# Altium PCB PCB1.PcbDoc
Units mil, origin at the board's own origin, x right, y up, seen from the top; angles counter-clockwise.
Board outline 2362.2 x 2362.2 mil, 2 copper layers (Top Layer, Bottom Layer); 50 components, 38 nets, 173 pads, 120 vias.
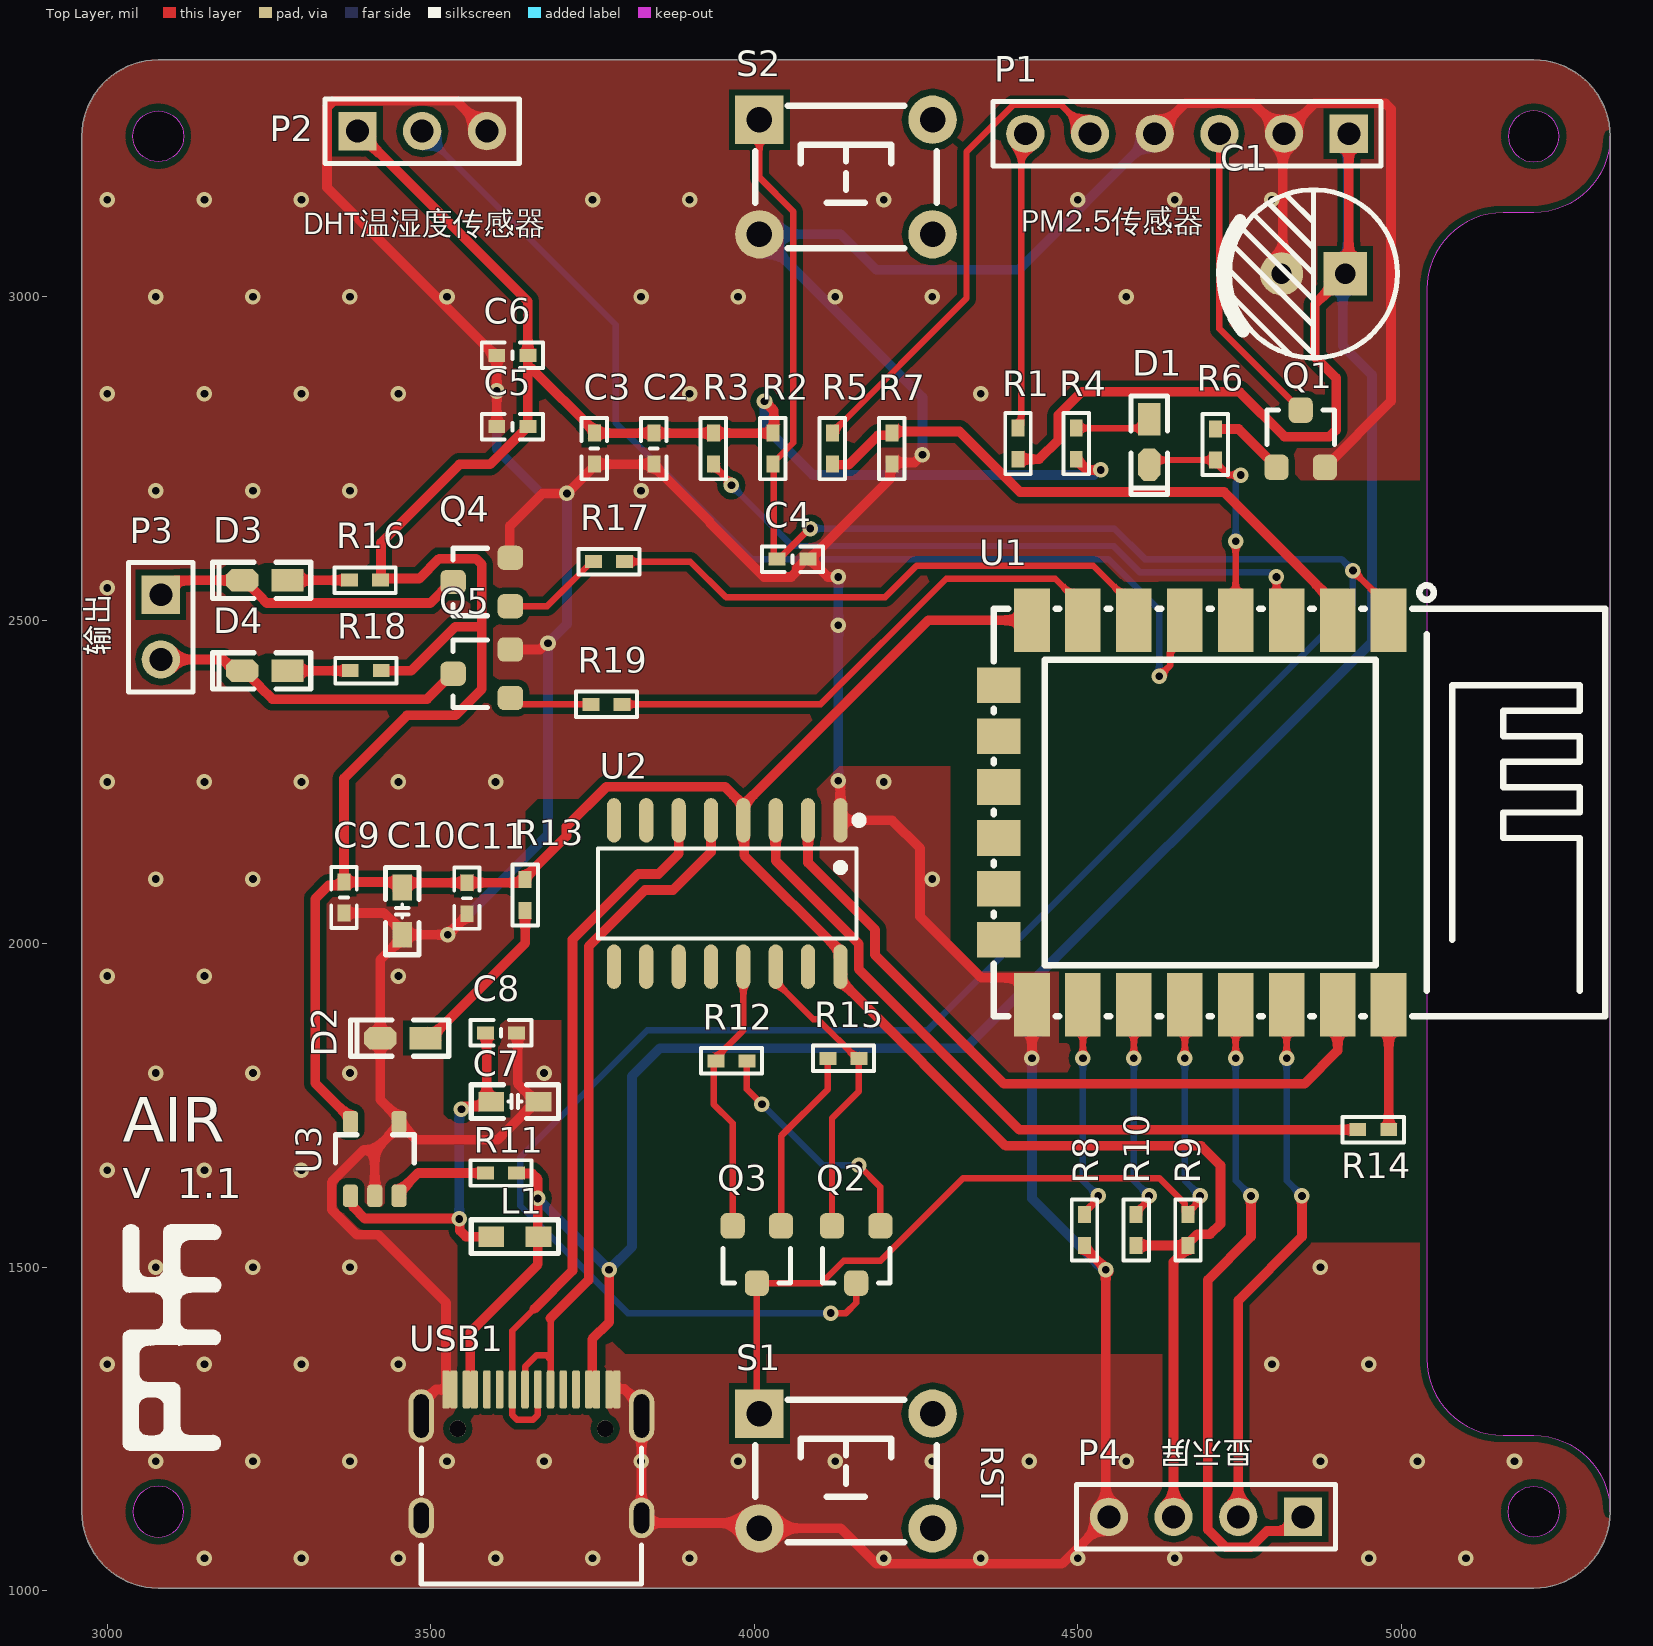
[diagram p0: Top Layer view]
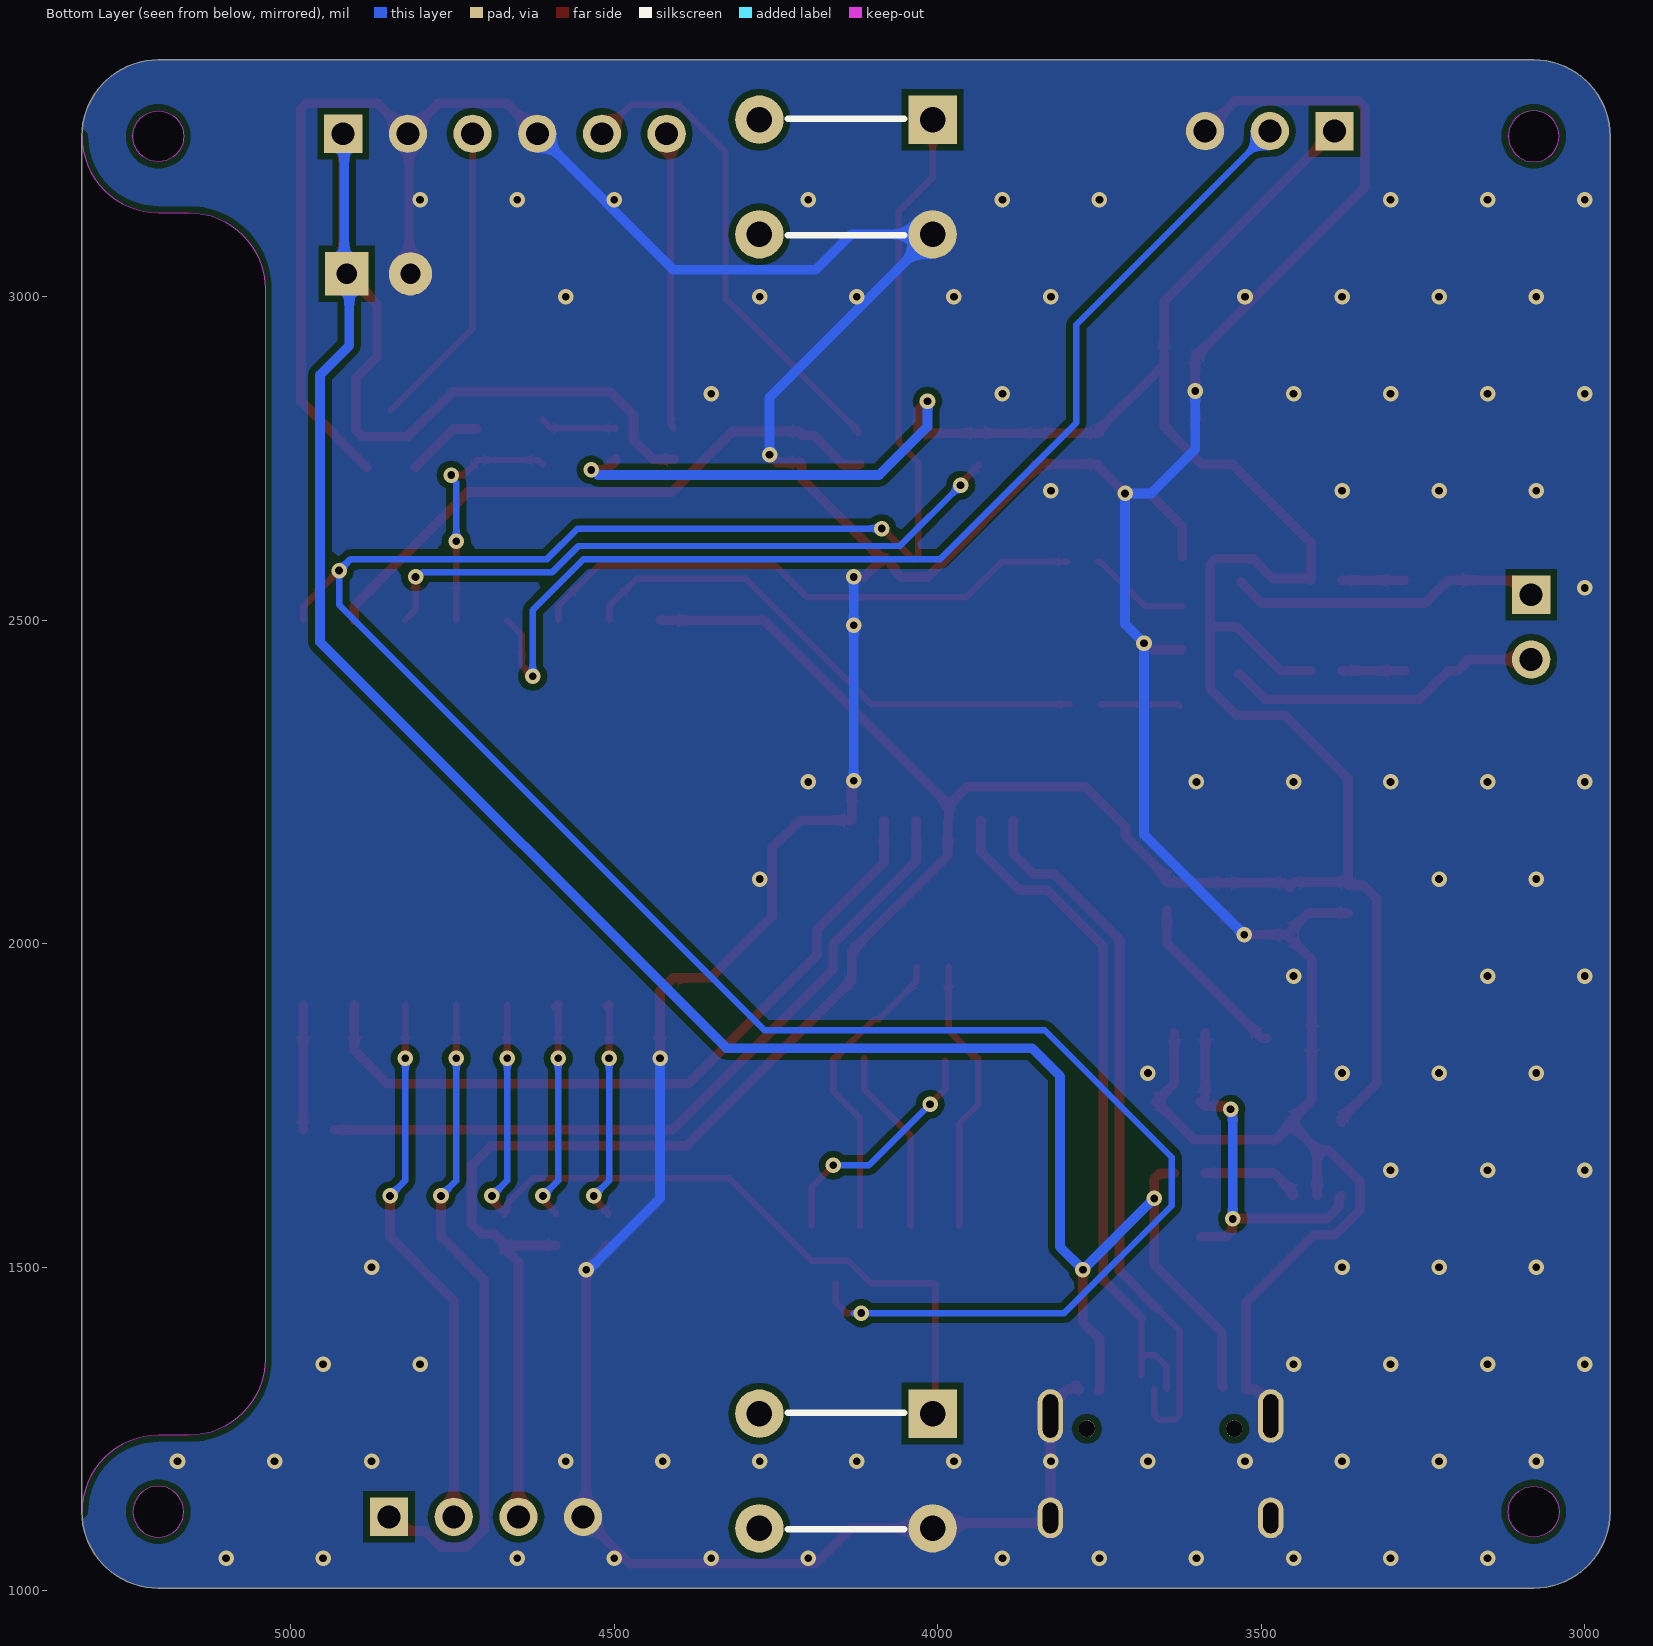
[diagram p1: Bottom Layer view, seen from below]
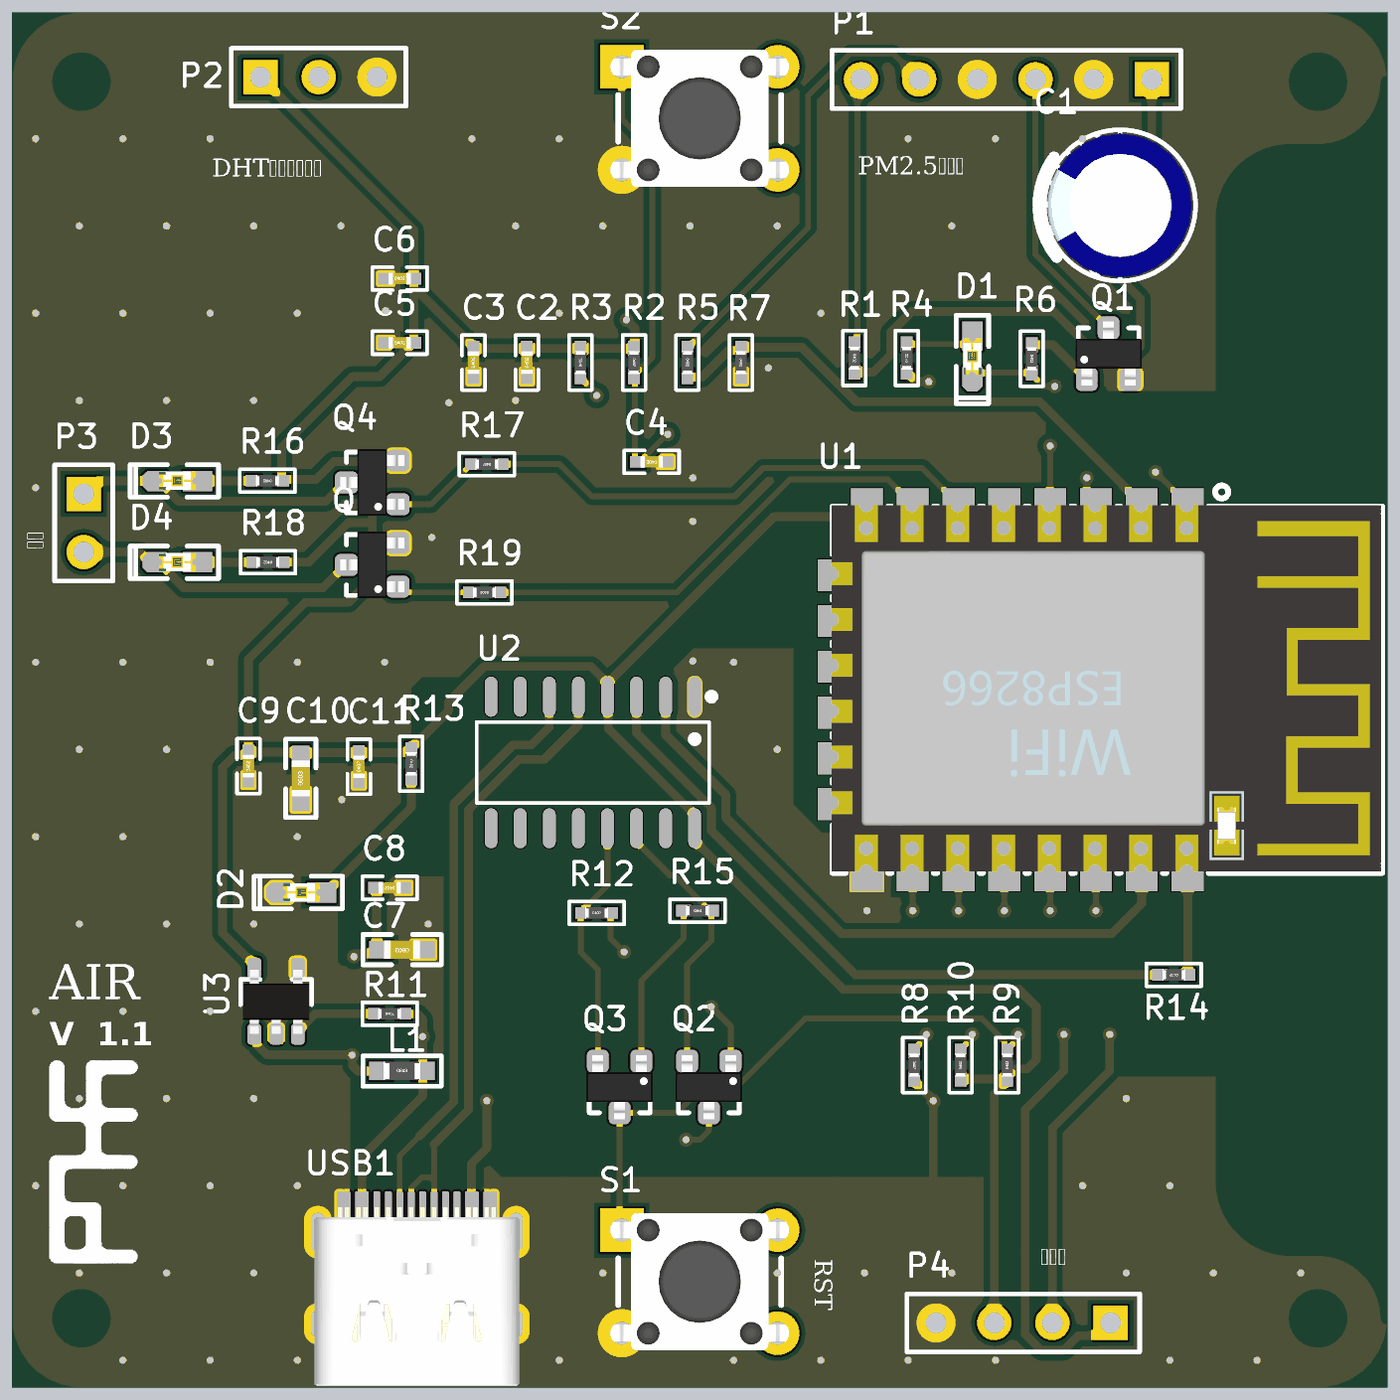
[diagram p2: 3D render of the assembled board from above, using the file's embedded part models]

## Layer stack, top to bottom
Top Solder: solder mask 0.4, Solder Resist, Dk 3.5
Top Layer: signal copper 1.4
Dielectric 1: dielectric 12.6, FR-4, Dk 4.8
Bottom Layer: signal copper 1.4
Bottom Solder: solder mask 0.4, Solder Resist, Dk 3.5

## Board outline
2960.63,1122.05 ccw(c3078.74,1122.05) 3078.74,1003.94 5204.72,1003.94 ccw(c5204.72,1122.05) 5322.83,1122.05 5322.83,3248.03 ccw(c5204.72,3248.03) 5204.72,3366.14 3078.74,3366.14 ccw(c3078.74,3248.03) 2960.63,3248.03
cut-out: 5039.37,1358.27 ccw(c5157.48,1358.27) 5157.48,1240.16 5204.72,1240.16 cw(c5204.72,1122.05) 5322.83,1122.05 5322.83,3248.03 cw(c5204.72,3248.03) 5204.72,3129.92 5157.48,3129.92 ccw(c5157.48,3011.81) 5039.37,3011.81
cut-out: 3078.74,3208.66 cw(c3078.74,3248.03) 3039.37,3248.03 cw(c3078.74,3248.03) 3078.74,3287.4 cw(c3078.74,3248.03) 3118.11,3248.03 cw(c3078.74,3248.03)
cut-out: 5165.35,3248.03 ccw(c5204.72,3248.03) 5204.72,3208.66 ccw(c5204.72,3248.03) 5244.09,3248.03 ccw(c5204.72,3248.03) 5204.72,3287.4 ccw(c5204.72,3248.03)
cut-out: 5165.35,1122.05 cw(c5204.72,1122.05) 5204.72,1161.42 cw(c5204.72,1122.05) 5244.09,1122.05 cw(c5204.72,1122.05) 5204.72,1082.68 cw(c5204.72,1122.05)
cut-out: 3039.37,1122.05 ccw(c3078.74,1122.05) 3078.74,1082.68 ccw(c3078.74,1122.05) 3118.11,1122.05 ccw(c3078.74,1122.05) 3078.74,1161.42 ccw(c3078.74,1122.05)

## Design rules (kind name [scope] priority, off if disabled: settings)
Clearance [All] p1: gap=10 ignorepadtopadclearanceinfootprint=TRUE except(0: Arc-Hole Track-Hole SMDPad-Hole THPad-Hole Via-Hole Fill-Hole Poly-Hole Region-Hole Text-Hole)
PlaneConnect [All] p1: planeconnectstyle=Direct reliefexpansion=20 reliefentries=4 reliefconductorwidth=10 reliefairgap=10
PolygonConnect [All] p1: connectstyle=Direct reliefconductorwidth=10 reliefentries=4 polygonreliefangle="90 Angle" airgapwidth=10
RoutingVias [All] p1: holewidth=28 width=50 viastyle="Through Hole" minholewidth=28 minwidth=50 maxholewidth=28 maxwidth=50
SolderMaskExpansion [All] p1: expansion=4 istentingtop=FALSE
Width [All] p1: maxlimit=20 minlimit=10 preferedwidth=10
29 further rules are at their usual default settings.

## Components (designator, comment, footprint, x,y, rotation, side; value= is the part's Value field where it differs from the comment)
C1 "Cap Pol1" "CAP 2.5*6.3*11.2" 4864.17,3035.43 r180 top value=220uF
C2 "Cap" "C 0402_M" 3844.66,2765.24 r90 top value=10uF
C3 "Cap" "C 0402_M" 3752.68,2765.24 r90 top value=0.1uF
C4 "Cap" "C 0402_M" 4059.06,2594.49 r180 top value=0.1uF
C5 "0402" "C 0402_M" 3625.98,2799.21 r0 top value=0.1uF
C6 "0402" "C 0402_M" 3625.98,2909.45 r0 top value=0.1uF
C7 "0603" "C 0603_M" 3629.92,1755.91 r180 top value=10uF
C8 "0402" "C 0402_M" 3608.67,1862.2 r180 top value=0.1uF
C9 "0402" "C 0402_M" 3365.83,2071.35 r90 top value=10nF
C10 "0603" "C 0603_M" 3455.83,2050.35 r90 top value=10uF
C11 "0402" "C 0402_M" 3555.83,2070.35 r90 top value=0.1uF
D1 "LED0" "LED 0603R" 4610.24,2775.59 r270 top
D2 "LED0" "LED 0603R" 3456.69,1854.33 r180 top
D3 "LED0" "LED 0603R" 3243.46,2561.97 r180 top
D4 "LED0" "LED 0603R" 3243.46,2421.97 r180 top
L1 "90R-100M磁珠" "R 0603_M" 3629.92,1547.24 r0 top
P1 "Header 6" HDR1X6 4918.9,3251.97 r180 top
P2 "Header 3" HDR1X3 3386.61,3255.91 r0 top
P3 "Header 2" HDR1X2 3082.68,2539.37 r270 top
P4 "Header 4" HDR1X4 4848.03,1114.17 r180 top
Q1 "Y1 NPN SOT23-3" SMT_TRIODE_NPN 4844.49,2780.51 r0 top
Q2 "Y1 NPN SOT23-3" SMT_TRIODE_NPN 4157.48,1519.68 r180 top
Q3 "Y1 NPN SOT23-3" SMT_TRIODE_NPN 4003.94,1519.68 r180 top
Q4 "Y1 NPN SOT23-3" SMT_TRIODE_NPN 3578.74,2559.06 r90 top
Q5 "Y1 NPN SOT23-3" SMT_TRIODE_NPN 3578.74,2417.32 r90 top
R1 "Res2" "R 0402_M" 4407.64,2772.95 r270 top value=150R
R2 "Res2" "R 0402_M" 4028.63,2765.24 r270 top value=10K
R3 "Res2" "R 0402_M" 3936.65,2765.24 r90 top value=10K
R4 "Res2" "R 0402_M" 4497.64,2772.95 r90 top value=10K
R5 "Res2" "R 0402_M" 4120.61,2765.24 r270 top value=10K
R6 "Res2" "R 0402_M" 4712.6,2771.65 r270 top value=1K
R7 "Res2" "R 0402_M" 4212.6,2765.24 r270 top value=10K
R8 "Res2" "R 0402_M" 4510.31,1557.44 r270 top value=10K
R9 "Res2" "R 0402_M" 4670.31,1557.44 r90 top value=10K
R10 "Res2" "R 0402_M" 4590.31,1557.44 r90 top value=10K
R11 "Res2" "R 0402_M" 3608.67,1645.67 r0 top value=0R
R12 "Res2" "R 0402_M" 3964.57,1818.9 r0 top value=12K
R13 "Res2" "R 0402_M" 3645.83,2075.35 r270 top value=0R
R14 "Res2" "R 0402_M" 4956.69,1712.6 r180 top value=200R
R15 "Res2" "R 0402_M" 4137.8,1822.83 r180 top value=12K
R16 "Res2" "R 0402_M" 3398.46,2561.97 r180 top value=1K
R17 "Res2" "R 0402_M" 3775.59,2590.55 r180 top value=1K
R18 "Res2" "R 0402_M" 3399.46,2421.97 r180 top value=1K
R19 "Res2" "R 0402_M" 3771.65,2370.08 r180 top value=1K
S1 "SW-PB" "TSW DIP-6*6*5" 4141.73,1185.04 r0 top
S2 "SW-PB" "TSW DIP-6*6*5" 4141.73,3185.04 r0 top
U1 "ESP8266" esp8266 5312.61,2515.15 r180 top
U2 "CH340C" CH340 4161.57,2190.12 r180 top
U3 "PT5108E23E 3V3" SOT23-5 3413.39,1669.29 r90 top
USB1 "Type-C" Type-C-TOP 3655.51,1211.81 r270 top

## Footprints (in the part's own frame and the unit in brackets; to place one, negate y for a bottom-side part, rotate by r counter-clockwise, add the part's x,y. Pads: shape width x height; smd on the part's side, far side on the other; paste and mask are expansions set on the pad)
"C 0402_M" [mil] "无极性贴片电容"
  rect 26x20 smd: 1(-24,0) 2(24,0)
  silkscreen extent -47,-20 47,20, body extent -20,-10 20,10, height 21
"C 0603_M" [mil] "无极性贴片电容"
  rect 40x30 smd: 1(-36.5,0) 2(36.5,0)
  silkscreen extent -68,-26 68,26, body extent -31,-16 31,16, height 32
"CAP 2.5*6.3*11.2" [mm] "脚距2.5mm直径6.3mm高度11.2mm"
  rect 1.7x1.7 hole 0.8: 1(-1.25,0)
  round 1.7 hole 0.8: 2(1.25,0)
  silkscreen extent -3.3,-3.3 3.56,3.3, body extent -3.15,-3.15 3.16,3.15, height 11.23
CH340 [mil]
  oval 22x68.7 smd mask+2: 1(28.5,-0.65) 2(78.5,-0.65) 3(128.5,-0.65) 4(178.5,-0.65) 5(228.5,-0.65) 6(278.5,-0.65) 7(328.5,-0.65) 8(378.5,-0.65) 9(378.5,225.55) 10(328.5,225.55) 11(278.5,225.55) 12(228.5,225.55) 13(178.5,225.55) 14(128.5,225.55) 15(78.5,225.55) 16(28.5,225.55)
  silkscreen extent -6,-7 403,182, body extent 8,-10 402,230, height 67
esp8266 [mil]
  rect 55.1x98.4 smd mask+2: 1(332.3,15.15) 2(411,15.15) 3(489.8,15.15) 4(568.5,15.15) 5(647.3,15.15) 6(726,15.15) 7(804.7,15.15) 8(883.5,15.15) 9(883.5,609.65) 10(804.7,609.75) 11(726,609.75) 12(647.3,609.75) 13(568.5,609.65) 14(489.8,609.75) 15(411,609.75) 16(332.3,609.75)
  rect 66.9x55.1 smd mask+2: 17(934.7,115.65) 18(934.6,194.25) 19(934.7,272.95) 20(934.7,351.75) 21(934.7,430.45) 22(934.7,509.15)
  silkscreen extent -2,-39 942,627, body extent -1,-5 944,625, height 126
HDR1X2 [mm] "Connector; Header; 2 Position"
  rect 1.5x1.5 hole 0.9: 1(0,0)
  round 1.5 hole 0.9: 2(2.54,0)
  silkscreen extent -1.27,-1.27 3.81,1.27
HDR1X3 [mm] "Connector; Header; 3 Position"
  rect 1.5x1.5 hole 0.9: 1(0,0)
  round 1.5 hole 0.9: 2(2.54,0) 3(5.08,0)
  silkscreen extent -1.27,-1.27 6.35,1.27
HDR1X4 [mm] "Connector; Header; 4 Position"
  rect 1.5x1.5 hole 0.9: 1(0,0)
  round 1.5 hole 0.9: 2(2.54,0) 3(5.08,0) 4(7.62,0)
  silkscreen extent -1.27,-1.27 8.89,1.27
HDR1X6 [mm] "Connector; Header; 6 Position"
  rect 1.5x1.5 hole 0.9: 1(0,0)
  round 1.5 hole 0.9: 2(2.54,0) 3(5.08,0) 4(7.62,0) 5(10.16,0) 6(12.7,0)
  silkscreen extent -1.27,-1.27 13.97,1.27
"LED 0603R" [mil] "红色0603LED                                           淘宝ID:黄晶宝石"
  rect 50x35 smd: 1(-35,0.26)
  oct 50x35 smd: 2(35,0.26)
  silkscreen extent -71,-28 81,28, body extent -31,-16 31,16, height 18
"R 0402_M" [mil] "1/16W贴片电阻"
  rect 26x20 smd: 1(-24,0) 2(24,0)
  silkscreen extent -47,-20 47,20, body extent -20,-10 20,10, height 12
"R 0603_M" [mil] "1/10W贴片电阻"
  rect 40x31.5 smd: 1(-36.5,0) 2(36.5,0)
  silkscreen extent -68,-26 68,26, body extent -31,-16 32,16, height 16
SMT_TRIODE_NPN [mm]
  rrect50% 0.95x1 smd: 1(-0.95,-1.125) 2(0.95,-1.125) 3(0,1.125)
  silkscreen extent -1.33,-0.22 1.32,1.13, body extent -1.45,-1.4 1.45,1.4, height 1.3
SOT23-5 [mm] "SOT23, 3-Leads, Body 3.1x3.0mm (max), Pitch 0.95mm, IPC Medium Density"
  rrect50% 0.889x0.6 smd: 1(-1.5,0.95) 2(-1.5,0) 3(-1.5,-0.95) 4(1.396,-0.95) 5(1.396,0.95)
  silkscreen extent -0.2,-1.55 0.9,1.55, body extent -1.48,-1.45 1.32,1.45, height 1.2
"TSW DIP-6*6*5" [mm] "6*6*5mm"
  rect 1.9x1.9 hole 1: 1(-3.4,2.25)
  round 1.9 hole 1: 2(-3.4,-2.25) 3(3.4,-2.25) 4(3.4,2.25)
  silkscreen extent -3.56,-2.79 3.56,2.79, body extent -4.11,-3 4.11,3, height 4.95
Type-C-TOP [mm]
  round 0.65 hole 0.65: 0(-0.98,2.89) 0(-0.98,-2.89)
  oval 1.6x1 hole 0.6 slot 1.2 at 0 deg: 1(2.52,4.325) 2(2.52,-4.325)
  oval 2.1x1 hole 0.6 slot 1.7 at 0 deg: 3(-1.48,-4.325) 4(-1.48,4.325)
  rrect50% 1.5x0.3 smd: A1(-2.52,-3.35) A4(-2.52,-2.55) A5(-2.52,-1.25) A6(-2.52,-0.25) A7(-2.52,0.25) A8(-2.52,1.25) A9(-2.52,2.55) A12(-2.52,3.35) B1(-2.52,3.05) B4(-2.52,2.25) B5(-2.52,1.75) B6(-2.52,0.75) B7(-2.52,-0.75) B8(-2.52,-1.75) B9(-2.52,-2.25) B12(-2.52,-3.05)
  silkscreen extent -0.22,-4.33 5.12,4.33, body extent -2.57,-4.48 5.18,4.48, height 3.26

## Part data
C1: "Polarized Capacitor (Radial)", LatestRevisionDate=17-Jul-2002, LatestRevisionNote="Re-released for DXP Platform.", PackageDescription="Polarized Capacitor (Radial); 2 Leads", PackageReference=RB7.6-15, Published=8-Jun-2000, Publisher="Altium Limited"
C2 C3 C4: "Capacitor", LatestRevisionDate=17-Jul-2002, LatestRevisionNote="Re-released for DXP Platform.", PackageDescription="Radial Cap, Thru-Hole; 2 Leads; 0.3 in Pin Spacing", PackageReference=RAD-0.3, Published=8-Jun-2000, Publisher="Altium Limited"
C5 C6 C7 C8 C9 C10 C11: library part "Cap Semi", "Capacitor (Semiconductor SIM Model)", LatestRevisionDate=29-May-2009, LatestRevisionNote="IPC-7351 Footprint Added.", PackageDescription="Chip Capacitor", PackageReference=C1206, Published=8-Jun-2000, Publisher="Altium Limited"
D1 D2 D3 D4: "Typical INFRARED GaAs LED", LatestRevisionDate=08-Jul-2005, LatestRevisionNote="Mech Layer 1 removed.", PackageDescription="LED; 2 Leads", PackageReference=LED-0, Published=8-Jun-2000, Publisher="Altium Limited"
L1: library part L,10UH,1.7A,S5*5*4.7,0.093Ω_1, PCB Footprint=0805, Vastdigital ID="ML0003 0025"
P1: "Header, 6-Pin", LatestRevisionDate=17-Jul-2002, LatestRevisionNote="Re-released for DXP Platform.", Publisher="Altium Limited"
P2: "Header, 3-Pin", LatestRevisionDate=17-Jul-2002, LatestRevisionNote="Re-released for DXP Platform.", Publisher="Altium Limited"
P3: "Header, 2-Pin", LatestRevisionDate=17-Jul-2002, LatestRevisionNote="Re-released for DXP Platform.", Publisher="Altium Limited"
P4: "Header, 4-Pin", LatestRevisionDate=17-Jul-2002, LatestRevisionNote="Re-released for DXP Platform.", Publisher="Altium Limited"
Q1 Q2 Q3 Q4 Q5: library part S8050
R1 R2 R3 R4 R5 R6 R7 R8 R9 R10 R11 R12 R13 R14 R15 R16 R17 R18 R19: "Resistor", LatestRevisionDate=17-Jul-2002, LatestRevisionNote="Re-released for DXP Platform.", PackageDescription="Axial Device, Thru-Hole; 2 Leads; 0.4 in Pin Spacing", PackageReference=AXIAL-0.4, Published=8-Jun-2000, Publisher="Altium Limited"
S1 S2: "Switch", LatestRevisionDate=17-Jul-2002, LatestRevisionNote="Re-released for DXP Platform.", PackageDescription="Switch; 2 Leads", PackageReference=SPST-2, Published=24-Mar-1999, Publisher="Altium Limited"
U3: library part LP2992, "LDO"
USB1: library part USB-Type-C-TOP

## Via types
v1: diameter 24, hole 12, Top Layer to Bottom Layer, tented both sides, 84 vias
v2: diameter 24/24 (per signal layer), hole 12, Top Layer to Bottom Layer, tented both sides, 36 vias

## Nets (pads, with @x,y where several pads share a name; then routed paths per layer and width w, separated by ;. In a path a pad name is that pad's centre, name@x,y a point inside that pad or via, vN(x,y) a via of type N, cw(c..) or ccw(c..) an arc to the next point about the centre after c; other vN are vias at no path point)
3V3: C2.2 C3.2 C5.2 C6.2 C9.2 C10.2 C11.2 P2.1 P4.3 R2.1 R3.2 R4.1 R9.1 R10.1 R13.1 R16.1 R18.1 U1.8 U2.4 U2.16 U3.5 | length 6423.2
  Top Layer w15: U3.5 3375.98,1729.93 3321.24,1784.67 3321.24,2069.27 3341.82,2089.85 3363.33,2089.85 3365.83,2092.35 C9.2 ; P2.1 3649.98,2992.54 C6.2 C5.2 3646.98,2799.21 3644.48,2796.71 3644.48,2793.96 3591.52,2741 3544.15,2741 3422.88,2619.73 R16.1@3422.88,2562.38 ; R16.1 R16.1@3422.88,2562.38 ; R18.1 3469.79,2421.97 3537.91,2490.09 3578.74,2490.09 ; 3655.48,2889.43 3752.68,2792.24 C3.2 3845.18,2789.24 3937.68,2789.24 4030.18,2789.24 4030.18,2824.15 v2(4015.75,2838.58) ; U1.8 4268.95,2500 U2.4@3983.07,2214.12 ; R4.1 4497.64,2745.95 4500.14,2743.45 4503.14,2743.45 4514.31,2732.28 v2(4535.43,2732.28) ; R10.1 4667.81,1533.44 R9.1@4670.31,1530.94 ; P4.3 4648.03,1508.16 4670.31,1530.44 R9.1@4670.31,1530.94 ; C9.2 3365.83,2255.59 3463.19,2352.95 3537.99,2352.95 3578.74,2393.7 3578.74,2490.09 ; C9.2 3448.33,2095.35 3455.83,2087.85 C10.2 3463.33,2094.35 C11.2 3643.33,2094.35 3645.83,2096.85 R13.1 3645.83,2102.35 3709.8,2166.32 3709.8,2181.15 3771.27,2242.62 3954.57,2242.62 U2.4@3983.07,2214.12 ; R16.1@3422.88,2562.38 3424.96,2564.47 3482.2,2564.47 3512.99,2595.26 3569.95,2595.26 3578.74,2586.47 3578.74,2490.09 ; U2.4@3983.07,2214.12 U2.4 3984.41,2189.43 3984.41,2136.58 4133.07,1987.92 4133.07,1943.11 4388.58,1687.6 4690.35,1687.6 4720.47,1657.48 4720.47,1566.93 4704.48,1550.94 4684.81,1550.94 4670.31,1536.44 R9.1 R9.1@4670.31,1530.94
  Bottom Layer w15: v2(4015.75,2838.58) 4015.75,2799.21 4090.55,2724.41 4525.12,2724.41 4533,2732.28 v2(4535.43,2732.28)
+5: C1.1 L1.2 P1.1 R1.2 R11.2 USB1.A4 USB1.A9 USB1.B4 USB1.B9 | length 4386.6
  Top Layer w15: USB1.A4@3558.84,1314.74 3561.08,1316.99 3561.08,1400.18 3665.35,1504.45 3665.35,1547.24 v2@3665.35,1610.46 ; R11.2@3634.24,1645.67 3635.15,1644.75 3656.57,1644.75 3665.35,1635.96 v2(3665.35,1606.3) ; USB1.A9@3750.54,1308.83 3749.49,1309.88 3749.49,1388.7 3775.59,1414.81 v2(3775.59,1496.06) ; R1.2 4440.14,2748.95 4470.14,2778.95 4470.14,2817.2 4506.02,2853.09 4750.12,2853.09 4819.52,2783.68 4889.14,2783.68 4899.39,2793.93 4899.39,2874.5 4866.21,2907.68 4866.21,2988.26 C1.1 4918.9,3040.94 P1.1
  Bottom Layer w15: v2(3665.35,1606.3) 3673.23,1598.43 v2(3775.59,1496.06) 3811.02,1531.5 3811.02,1795.28 3854.33,1838.58 4326.77,1838.58 4954.7,2466.51 4954.7,2879.35 4909.45,2924.59 4909.45,3031.5 C1.1 4917.32,3039.37 4917.32,3250.39 P1.1
ADC: R5.2 R7.1 U1.2 | length 939
  Top Layer w15: R5.2 4122.04,2741.24 4123.11,2740.16 4145.67,2740.16 4191.26,2785.75 4210.1,2785.75 4212.6,2788.25 4212.6,2791.72 4317.13,2791.72 4410.76,2698.09 4726.23,2698.09 4868.22,2556.09 4868.22,2555.04 4901.61,2521.65 U1.2
ADC_EK: P1.5 R5.1 | length 759.2
  Top Layer w10: R5.1@4122.68,2789.24 4122.68,2792.24 4327.99,2997.55 4327.99,3224.03 4400.45,3296.5 4474.37,3296.5 P1.5
DATA: P2.2 U1.5 | length 1740.2
  Top Layer w10: v2(4625.98,2413.39) 4642.77,2430.17 4642.77,2477.45 U1.5
  Bottom Layer w10: P2.2 3785.72,2956.8 3785.72,2804.84 3996.06,2594.49 4547.24,2594.49 4625.98,2515.75 v2(4625.98,2413.39)
DTR: Q3.2 R12.1 U2.13 | length 433.7
  Top Layer w10: Q3.2 3966.54,1722.44 3937.01,1751.97 3937.01,1822.83 3940.01,1822.83 3983.07,1865.9 U2.13
GND: C1.2 C2.1 C3.1 C4.1 C5.1 C6.1 C7.1 C8.1 C9.1 C10.1 C11.1 D2.2 P1.2 P1.4 P2.3 P4.4 Q1.2 Q4.2 Q5.2 R7.2 R8.2 S1.2 S2.2 U1.9 U2.1 U3.2 U3.4 USB1.1 USB1.2 USB1.3 USB1.4 USB1.A1 USB1.A12 USB1.B1 USB1.B12 | length 9655.7
  Top Layer w15: C9.1 3427.33,2047.35 3455.83,2018.85 C10.1 ; U3.2 3413.38,1681.14 ; USB1.3 3485.24,1288.39 3507.87,1311.02 USB1.A1 3523.62,1445.27 3418.66,1550.24 3385.38,1550.24 3346.67,1588.95 3346.67,1631.53 3396.29,1681.14 3413.38,1681.14 ; C11.1 3555.83,2043.35 v2(3526.33,2013.85) C10.1 ; P2.3 3539.59,3302.93 3349.84,3302.93 3339.59,3292.68 3339.59,3168.85 3598.98,2909.45 C6.1 v2(3601.98,2854.33) C5.1 ; Q4.2@3622.05,2598.43 3622.05,2645.67 3672.32,2695.94 v2(3710.38,2695.94) 3752.68,2738.24 C3.1 3845.18,2741.24 3845.18,2738.24 3931.24,2652.17 3931.24,2650.55 4014.87,2566.93 4057.06,2566.93 4065.85,2575.72 4065.85,2580.28 4080.06,2594.49 C4.1 C4.1@4086.06,2594.49 ; Q5.2 3668.82,2454.72 3678.67,2464.57 v2(3681.1,2464.57) ; C8.1@3634.24,1862.2 3634.24,1784.16 3662.49,1755.91 3603.43,1696.85 3478.17,1696.85 3460.79,1714.24 3455.1,1714.24 U3.4@3450.79,1718.55 ; USB1.B1@3781.15,1311.61 USB1.A12@3787.4,1317.86 ; USB1.A12@3787.4,1311.61 3799.32,1311.61 3825.79,1285.14 USB1.4 USB1.1 3833.86,1104.53 3999.8,1104.53 S1.2 4133.74,1096.46 4188.64,1041.56 4475.41,1041.56 P4.4 4543.31,1118.9 v2(4543.31,1496.06) ; v2(4129.92,2251.97) 4133.07,2248.82 U2.1 4213.11,2190.77 4256.19,2147.69 4256.19,2041.97 4350.97,1947.2 4409.06,1947.2 4429.11,1927.15 U1.9 ; v2(4129.92,2566.93) 4113.61,2566.93 C4.1@4086.06,2594.49 ; v2(4259.84,2755.91) 4247.65,2743.72 4212.6,2743.72 4210.1,2741.22 4210.1,2718.53 C4.1@4086.06,2594.49 ; v2(4429.13,1822.83) U1.9 ; R8.2 4510.31,1530.44 v2@4548.03,1492.72 ; P1.4 4665.93,3299 4771.87,3299 P1.2 ; C1.2 4816.93,3037.4 4816.93,3250 P1.2 ; Q1.2 4984.25,2838.58 4984.25,3290.21 4975.47,3299 4865.93,3299 P1.2 ; 3413.38,1681.14 U3.4@3450.79,1718.55 ; U3.4@3450.79,1718.55 U3.4 3450.79,1729.93 3421.69,1759.02 D2.2 3421.69,1974.72 3455.83,2008.85 C10.1
  Bottom Layer w15: v2(3526.33,2013.85) 3681.1,2168.63 v2(3681.1,2464.57) 3710.38,2493.85 v2(3710.38,2695.94) 3670.2,2695.94 3601.98,2764.16 v2(3601.98,2854.33) ; v2(4129.92,2251.97) v2(4129.92,2492.13) v2(4129.92,2566.93) ; v2(4259.84,2755.91) 4259.84,2844.49 S2.2 4133.74,3096.46 4188.64,3041.56 4408.48,3041.56 P1.4 ; v2(4429.13,1822.83) 4429.13,1606.3 4534.87,1500.56 4536.37,1500.56 4540.87,1496.06 v2(4543.31,1496.06)
  other v1: 3150,1050 3300,1050 3450,1050 3600,1050 3750,1050 3900,1050 4200,1050 4350,1050 4500,1050 4650,1050 4950,1050 5100,1050 3075,1200 3225,1200 3375,1200 3525,1200 3675,1200 3825,1200 3975,1200 4125,1200 4275,1200 4425,1200 4575,1200 4875,1200 5025,1200 5175,1200 3000,1350 3150,1350 3300,1350 3450,1350 4800,1350 4950,1350 3075,1500 3225,1500 3375,1500 4875,1500 3000,1650 3150,1650 3300,1650 3075,1800 3225,1800 3375,1800 3675,1800 3000,1950 3150,1950 3450,1950 3075,2100 3225,2100 4275,2100 3000,2250 3150,2250 3300,2250 3450,2250 3600,2250 4200,2250 3000,2550 3075,2700 3225,2700 3375,2700 3825,2700 3000,2850 3150,2850 3300,2850 3450,2850 3900,2850 4350,2850 3075,3000 3225,3000 3375,3000 3525,3000 3825,3000 3975,3000 4125,3000 4275,3000 4575,3000 3000,3150 3150,3150 3300,3150 3750,3150 3900,3150 4200,3150 4500,3150 4650,3150 4800,3150
GPIO0: Q3.3 R9.2 S1.1 U1.12 | length 1308.9
  Top Layer w10: S1.1 4003.94,1277.56 Q3.3 4103.36,1475.39 4138.04,1510.08 4195.11,1510.08 4244.09,1559.07 4322.82,1637.8 4625.99,1637.8 4665.31,1598.47 4665.31,1586.44 R9.2 4670.31,1584.44 4686.3,1600.42 4686.3,1607.56 v2(4688.98,1610.24) ; U1.12 4665.35,1905.36 v2(4665.35,1822.83)
  Bottom Layer w10: v2(4665.35,1822.83) 4665.35,1633.86 v2(4688.98,1610.24)
GPIO2: R10.2 U1.11 | length 347.2
  Top Layer w10: v2(4586.61,1822.83) U1.11 ; R10.2 4590.31,1584.44 4607.56,1601.68 4607.56,1607.56 v2(4610.24,1610.24)
  Top Layer w15: U1.11 U1.11@4590.31,1901.7
  Bottom Layer w10: v2(4586.61,1822.83) 4586.61,1633.86 v2(4610.24,1610.24)
GPIO4: P4.1 U1.13 | length 1026.2
  Top Layer w10: v2(4744.09,1822.83) U1.13
  Top Layer w15: v2(4767.72,1610.24) 4767.72,1547.24 4701,1480.53 4701,1094.69 4728.55,1067.15 4767.51,1067.15 4792.51,1092.15 4826,1092.15 P4.1
  Bottom Layer w10: v2(4744.09,1822.83) 4744.09,1633.86 v2(4767.72,1610.24)
GPIO5: P4.2 U1.14 | length 841.8
  Top Layer w10: v2(4822.83,1822.83) U1.14
  Top Layer w15: P4.2 4748.03,1448.82 4846.46,1547.24 v2(4846.46,1610.24)
  Bottom Layer w10: v2(4822.83,1822.83) 4822.83,1633.86 v2(4846.46,1610.24)
GPIO12: R17.1 U1.6 | length 877.6
  Top Layer w10: R17.1 3901.18,2590.55 3956.3,2535.43 4202.09,2535.43 4250.86,2584.2 4524.06,2584.2 4586.61,2521.65 U1.6
GPIO13: R19.1 U1.7 | length 831.9
  Top Layer w10: R19.1 4102.36,2370.08 4296.48,2564.2 4465.36,2564.2 4507.91,2521.65 U1.7
GPIO16: D1.2 R6.2 U1.4 | length 383.5
  Top Layer w10: D1.2 4617.56,2747.65 R6.2 4712.6,2744.65 4732.84,2724.41 v2(4751.97,2724.41) ; U1.4 v2(4744.09,2622.05)
  Bottom Layer w10: v2(4744.09,2622.05) 4744.09,2712.75 4751.97,2720.62 v2(4751.97,2724.41)
NetC7_2: C7.2 C8.2 L1.1 U3.1 | length 583.2
  Top Layer w15: U3.1 3380.3,1605.93 3380.3,1592.72 3397.78,1575.24 3543.33,1575.24 v2(3544.01,1574.55) 3544.77,1573.79 3544.77,1556.52 3554.05,1547.24 L1.1 ; v2(3547.24,1744.09) 3551.99,1748.84 3587.42,1748.84 C7.2@3594.49,1755.91 ; C7.2@3586.24,1763.41 C8.2@3586.24,1862.2
  Bottom Layer w15: v2(3544.01,1574.55) 3544.01,1738.42 3547.24,1741.66 v2(3547.24,1744.09)
NetD1_1: D1.1 R4.2 | length 119.2
  Top Layer w10: R4.2 4598,2796.95 4610.5,2809.45 D1.1
NetD2_1: D2.1 R13.2 | length 265.5
  Top Layer w15: D2.1 3499.19,1854.07 3645.83,2000.71 R13.2
NetD3_1: D3.1 R16.2 | length 96.1
  Top Layer w15: D3.1 3278.59,2561.84 3374.33,2561.84 R16.2
NetD4_1: D4.1 R18.2 | length 97.1
  Top Layer w15: D4.1 3278.59,2421.84 3375.33,2421.84 R18.2
NetP1_3: P1.3 Q1.3 | length 479.2
  Top Layer w10: P1.3 4718.9,2950.39 Q1.3
NetP1_6: P1.6 R1.1 | length 459.7
  Top Layer w10: R1.1 4412.64,2801.95 4412.64,3245.71 P1.6
NetQ1_1: Q1.1 R6.1 | length 119.7
  Top Layer w15: R6.1 4748.64,2795.65 4807.09,2737.2 Q1.1
NetQ2_1: Q2.1 R12.2 | length 372.7
  Top Layer w10: R12.2 3988.57,1775.21 v2(4011.81,1751.97) ; v2(4161.42,1657.48) 4194.88,1624.02 Q2.1
  Bottom Layer w10: v2(4011.81,1751.97) 4106.3,1657.48 v2(4161.42,1657.48)
NetQ3_1: Q3.1 R15.2 | length 288.9
  Top Layer w10: Q3.1 4041.34,1702.76 4113.8,1775.21 R15.2
NetQ4_1: Q4.1 R17.2 | length 157.1
  Top Layer w10: Q4.1 3679.69,2521.65 3748.59,2590.55 R17.2
NetQ5_1: Q5.1 R19.2 | length 123.1
  Top Layer w10: Q5.1@3625.87,2366.97 3628.98,2370.08 R19.2
NetR3_1: R3.1 U1.3 | length 1018.4
  Top Layer w10: R3.1@3937.68,2741.24 3937.68,2738.24 3964.57,2711.35 v2(3964.57,2708.66) ; v2(4807.09,2566.93) 4807.09,2515.73 U1.3
  Bottom Layer w10: v2(3964.57,2708.66) 4058.5,2614.73 4555.28,2614.73 4595.53,2574.49 4795.74,2574.49 4803.3,2566.93 v2(4807.09,2566.93)
NetR8_1: R8.1 U1.10 | length 345.9
  Top Layer w10: v2(4507.87,1822.83) U1.10 U1.10 ; R8.1 4510.31,1584.44 4528.82,1602.94 4528.82,1607.56 v2(4531.5,1610.24)
  Top Layer w15: U1.10 U1.10@4510.31,1903
  Bottom Layer w10: v2(4507.87,1822.83) 4507.87,1633.86 v2(4531.5,1610.24)
NetR11_1: R11.1 U3.3 | length 153.5
  Top Layer w15: U3.3 3450.79,1615.93 3480.53,1645.67 R11.1@3586.24,1645.67
NetR14_2: R14.2 U2.3 | length 1157.3
  Top Layer w15: U2.3 4033.07,2128.35 4161.57,1999.85 4161.57,1972.37 4161.57,1960.48 4409.45,1712.6 R14.2
nRST: C4.2 Q2.3 R2.2 S2.1 U1.1 | length 4162.5
  Top Layer w10: S2.1 4007.87,3184.19 4060.28,3131.78 4060.28,2774.33 4030.18,2744.24 4030.18,2599.37 C4.2 4038.06,2594.49 4085.3,2641.73 v2(4086.61,2641.73) ; v2(4118.11,1429.13) 4141.73,1429.13 4157.48,1444.88 Q2.3 ; v2@4925.2,2582.68 v2(4925.2,2576.77) 4980.31,2521.65 U1.1
  Bottom Layer w10: v2(4086.61,2641.73) 4556.57,2641.73 4603.81,2594.49 4907.48,2594.49 v2(4925.2,2576.77) 4925.2,2523.62 4267.72,1866.14 3834.65,1866.14 3638.35,1669.85 3638.35,1595.12 3804.34,1429.13 v2@4129.92,1429.13
RTS: Q2.2 R15.1 U2.14 | length 477.2
  Top Layer w10: U2.14 4033.07,1941.22 4090.91,1883.38 4098.25,1883.38 4158.8,1822.83 R15.1 4161.8,1772.03 4120.08,1730.31 Q2.2
RXD: U1.15 U2.2 | length 1140.4
  Top Layer w15: U2.2 4083.07,2125.2 4186.57,2021.7 4186.57,1982.72 4385.83,1783.46 4850.39,1783.46 4901.61,1834.69 U1.15
SW1: D3.2 P3.1 Q4.3 | length 486.2
  Top Layer w15: P3.1 3105.02,2561.71 D3.2 3211.6,2561.71 3235.6,2537.71 3235.6,2537.32 3246.21,2526.71 3499.15,2526.71 Q4.3@3531.5,2559.06
SW2: D4.2 P3.2 Q5.3 | length 493.7
  Top Layer w15: P3.2 3178.94,2439.37 3196.6,2421.71 D4.2 3211.6,2421.71 3235.96,2397.35 3235.96,2396.96 3254.97,2377.95 3494.09,2377.95 3533.46,2417.32 Q5.3
TXD: R14.1 U1.16 | length 193
  Top Layer w15: U1.16 4980.69,1905.02 R14.1
USB_D+: U2.5 USB1.A6 USB1.B6 | length 1070.7
  Top Layer w10: USB1.A6 3645.67,1346.26 3663.64,1364.23 3678.28,1364.23 3685.04,1357.47 ; USB1.B6@3685.04,1333.05 3685.04,1357.47 ; 3685.04,1421.26 3685.04,1357.47
  Top Layer w15: 3685.04,1421.26 3744.09,1480.32 3744.09,1996.06 3830.93,2082.9 3874.24,2082.9 3933.07,2141.73 U2.5
USB_D-: U2.6 USB1.A7 USB1.B7 | length 1129.1
  Top Layer w10: 3660.04,1435.63 3625.98,1401.57 USB1.B7 3625.98,1271.65 3633.65,1263.98 3657.69,1263.98 3665.35,1271.65 USB1.A7
  Top Layer w15: 3660.04,1435.63 3719.09,1494.68 3719.09,2006.42 3820.58,2107.9 3851.99,2107.9 3883.07,2138.98 U2.6
pads on no net: S1.3 S1.4 S2.3 S2.4 U1.17 U1.18 U1.19 U1.20 U1.21 U1.22 U2.7 U2.8 U2.9 U2.10 U2.11 U2.12 U2.15 USB1.0 USB1.A5 USB1.A8 USB1.B5 USB1.B8

## Polygon pours and split planes (outlines as drawn)
GND on Bottom Layer "GND_L02_P002" (solid, pour order 2): 2960.63,1122.05 ccw(c3078.74,1122.05) 3078.74,1003.94 5204.72,1003.94 ccw(c5204.72,1122.05) 5322.83,1122.05 5322.83,3248.03 ccw(c5204.72,3248.03) 5204.72,3366.14 3078.74,3366.14 ccw(c3078.74,3248.03) 2960.63,3248.03
GND on Top Layer "GND_L01_P003" (solid, pour order 3): 2960.63,1122.05 ccw(c3078.74,1122.05) 3078.74,1003.94 5204.72,1003.94 ccw(c5204.72,1122.05) 5322.83,1122.05 5322.83,3248.03 ccw(c5204.72,3248.03) 5204.72,3366.14 3078.74,3366.14 ccw(c3078.74,3248.03) 2960.63,3248.03

## Other copper
Top Layer:
  pour cut-out: 3562.21,1882.14 3700.24,1881.83 3713.2,1894.78 3713.2,1989.27 3618.71,1989.27 3519.14,1889.7 3519.14,1736.16 3526.95,1728.35 3558.83,1728.35 3562.21,1736.16
  pour cut-out: 3760.83,1932.09 3741.14,1912.4 3741.14,1424.21 3800.2,1365.16 4643.31,1365.16 4643.31,1533.86 4247.05,1930.12
  pour cut-out: 3759.84,1338.58 3770.72,1349.46 3770.72,1536.36 3744.09,1562.99 3569.8,1562.99 3541.03,1534.22 3541.03,1348.16 3541.61,1348.16 3551.18,1338.58
  pour cut-out: 4417.32,1956.69 4338.58,1956.69 4303.15,1992.13 4303.15,2274.07 4131.44,2274.07 4077.84,2220.47 4007.87,2220.47 4007.87,2238.92 4272.89,2503.94 4417.32,2503.94
  pour cut-out: 4816.77,2716.38 5031.65,2716.38 5043.31,2704.72 5043.31,2547.24 4755.91,2547.24 4736.22,2566.93 4736.22,2787.4 4779.53,2787.4 4783.46,2787.4 4816.77,2761.18 4816.77,2728.35
  pour cut-out: 3645.83,2000.71 3657.2,1989.33 3717.68,1989.33 3893.7,2165.35 3893.7,2224.41 3665.35,2224.41 3645.67,2204.72
  pour cut-out: 4724.41,1775.59 4996.06,1775.59 4996.06,1838.58 5039.37,1838.58 5039.37,1543.31 5033.54,1537.47 4828.81,1537.47 4748.03,1448.82 4653.54,1448.82 4401.57,1775.59
  pour cut-out: 5039.37,1960.63 5035.43,1956.69 4417.32,1956.69 4417.32,2433.07 4437.01,2452.76 4440.94,2448.82 5035.43,2448.82

## Silkscreen, mask and mechanical layers (free items; w line width, h text height)
Top Overlay:
  region: 1700 vertices and 1 holes, not listed, extent 3023.62,1216.16 3175.98,1566.12
  text "PM2.5传感器" at 4413.44,3089.12 h60
  text "DHT温湿度传感器" at 3303.21,3085.18 h60
  text "输出" at 3013.3,2444.88 h60 r90
  text "AIR" at 3023.51,1670.82 h118.11
  text "V  1.1" at 3023.69,1591.35 h78.74
  text "显示屏" at 4771.6,1241.7 h60 r180
  text "RST" at 4339.08,1224.35 h60 r270
Mechanical 13:
  circle w10: c5204.72,1122.05 r39.37
  circle w10: c5204.72,3248.03 r39.37
  circle w10: c3078.74,3248.03 r39.37
  circle w10: c3078.74,1122.05 r39.37
  pour cut-out: 3078.74,3208.66 cw(c3078.74,3248.03) 3039.37,3248.03 cw(c3078.74,3248.03) 3078.74,3287.4 cw(c3078.74,3248.03) 3118.11,3248.03 cw(c3078.74,3248.03)
  pour cut-out: 3039.37,1122.05 ccw(c3078.74,1122.05) 3078.74,1082.68 ccw(c3078.74,1122.05) 3118.11,1122.05 ccw(c3078.74,1122.05) 3078.74,1161.42 ccw(c3078.74,1122.05)
  pour cut-out: 5165.35,1122.05 ccw(c5204.72,1122.05) 5204.72,1082.68 ccw(c5204.72,1122.05) 5244.09,1122.05 ccw(c5204.72,1122.05) 5204.72,1161.42 ccw(c5204.72,1122.05)
  pour cut-out: 5165.35,3248.03 ccw(c5204.72,3248.03) 5204.72,3208.66 ccw(c5204.72,3248.03) 5244.09,3248.03 ccw(c5204.72,3248.03) 5204.72,3287.4 ccw(c5204.72,3248.03)
  lines w1: 2960.63,1122.05 2960.63,3248.03 ; 3078.74,1003.94 5204.72,1003.94 ; 3078.74,3366.14 5204.72,3366.14 ; 5039.37,1338.58 5039.37,1870.08 5039.37,2539.37 ; 5322.83,1122.05 5322.83,3248.03
  lines w10: 3078.74,1003.94 cw(c3078.74,1122.05) 2960.63,1122.05 2960.63,3248.03 cw(c3078.74,3248.03) 3078.74,3366.14 5204.72,3366.14 cw(c5204.72,3248.03) 5322.83,3248.03 cw(c5204.72,3248.03) 5204.72,3129.92 5157.48,3129.92 ccw(c5157.48,3011.81) 5039.37,3011.81 5039.37,1358.27 ccw(c5157.48,1358.27) 5157.48,1240.16 5204.72,1240.16 cw(c5204.72,1122.05) 5322.83,1122.05 cw(c5204.72,1122.05) 5204.72,1003.94 3088.74,1003.94